# Allegro board A733_PRO2_AXP318_LPDDR4_4X_200BALL_32X1_V1_1.brd (continued)
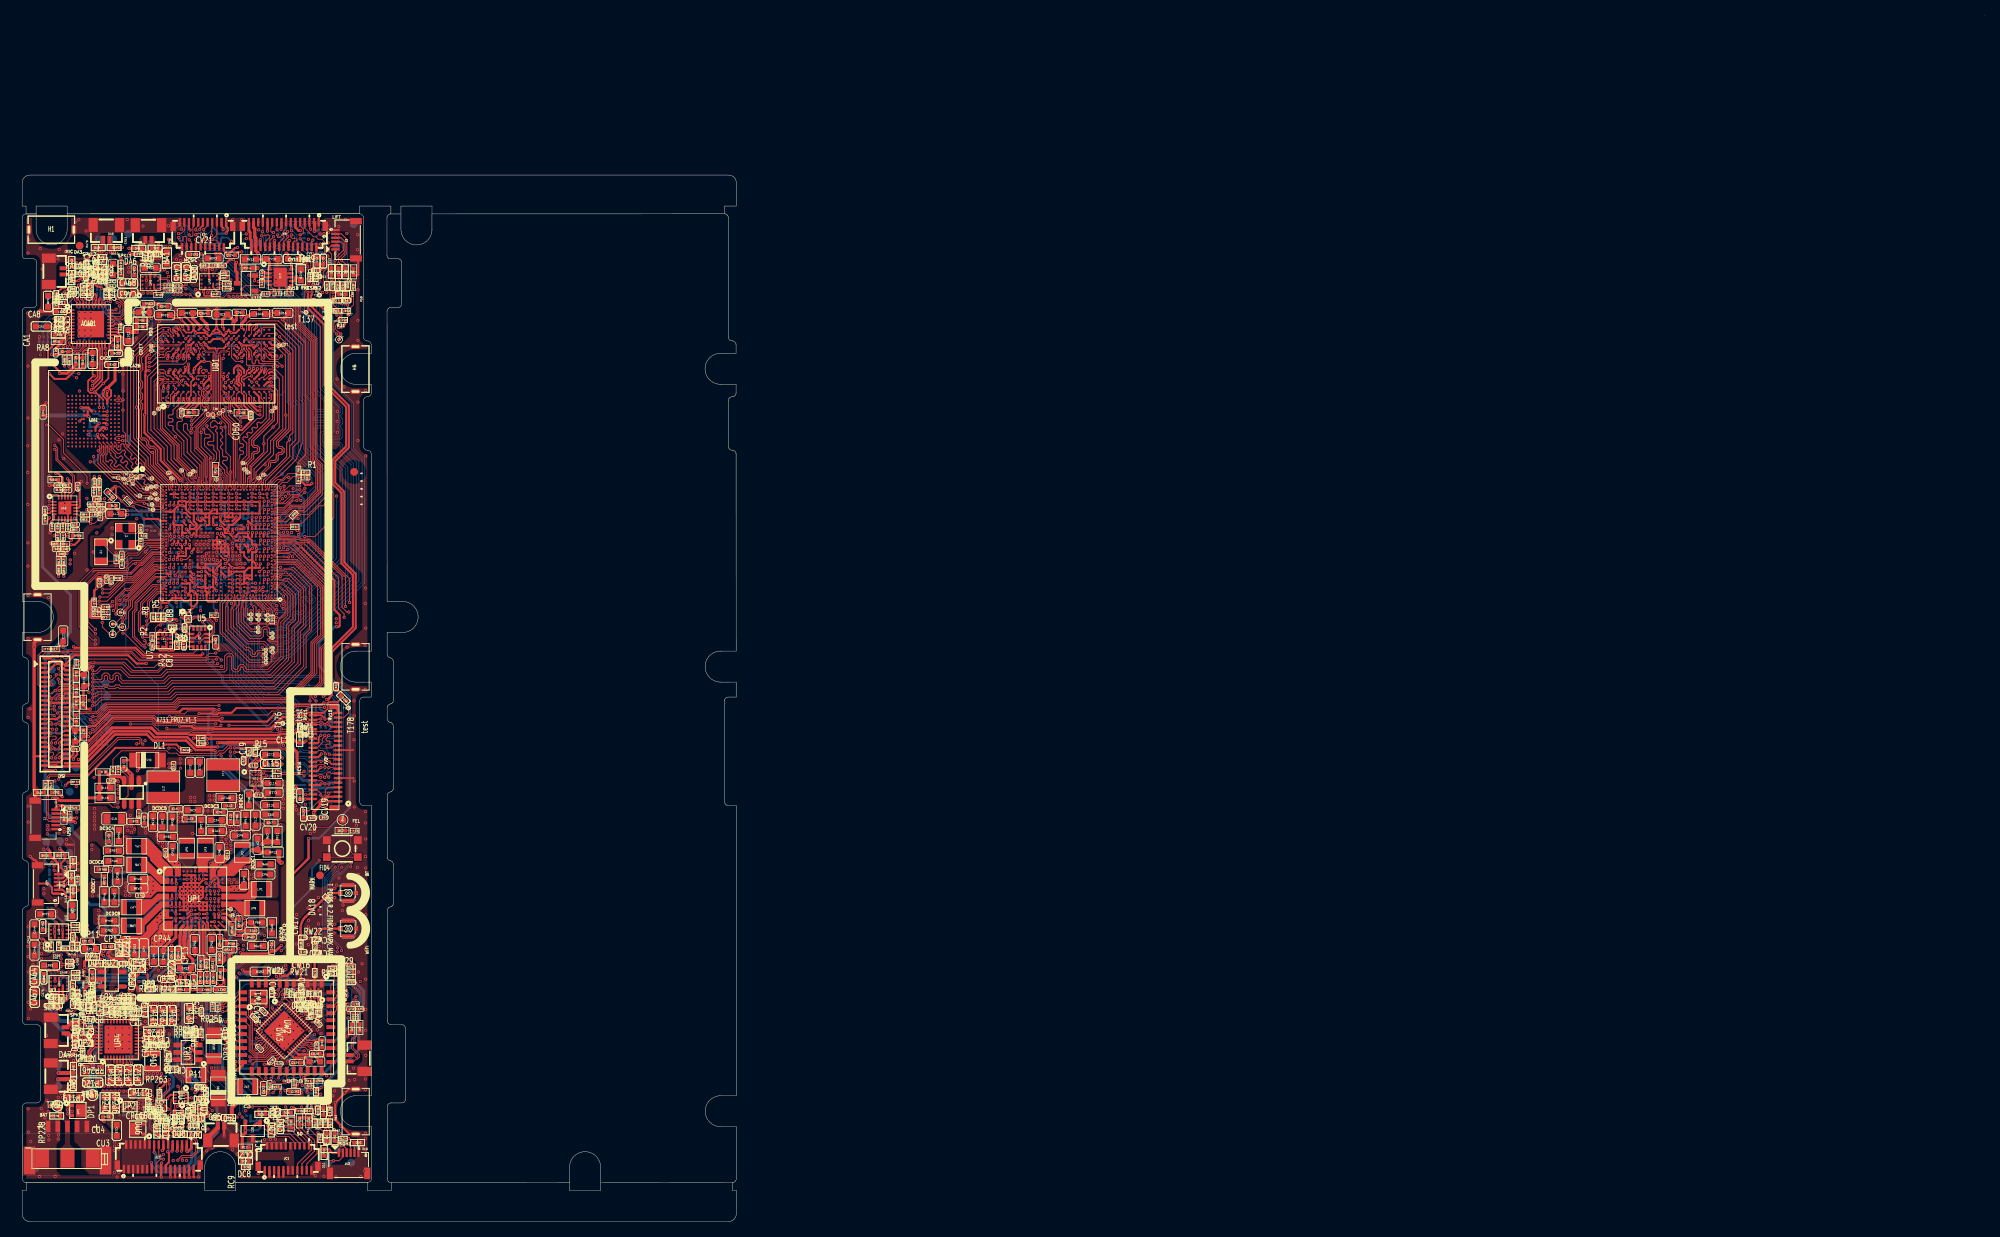
[diagram p0: board, top side]
## Routing (per net, layer and track width the routed paths; a pad name or vN(x,y) marks a point on that pad's centre or on a via; arc(x,y) is an arc through that point) (continued)
  TOP w0.381: v1(19.81,31.56) 19.48,31.23 CP24.2 ; v1(35.45,58.53) 35.45,60.53 34.06,61.92 33.47,61.92 33.37,61.82 26.45,61.82 26.4,61.77 v1(25.2,61.77)
  TOP w0.508: v1(19.81,31.56) 19.78,31.56 19.3,32.04 RP22.1
  L3 w0.254: v1(26.31,127.51) 26.35,127.47 27.24,127.47 28.33,126.38 29.4,126.38 29.64,126.13 35.98,126.13 36.58,126.73 v1(36.89,126.73) 37.03,126.6 37.03,124.17 37.41,123.79 37.41,122.82 36.95,122.36 v1(36.95,121.06)
  L3 w0.381: v1(39.35,54.17) 39.35,54.15 39.12,53.92 39.12,53.74 39.14,53.72 v1(39.14,53.7)
  L3 w0.508: v1(39.14,53.7) 39.09,53.7 38.85,53.46 38.85,49.9 34.71,45.76 34.71,42.68 33.25,41.22 33.25,37.44 32.76,36.96 32.76,35.21 27.56,30.01 24.83,30.01 24,30.85 20.65,30.85 20.61,30.89 20.48,30.89 v1(19.81,31.56)
  L4 w0.381: v1(28.1,84.38) 28.05,84.32 v1(27.12,84.32) 27.09,84.32 26.65,83.89 26.65,82.7 26.03,82.08 26.03,75.16 24.23,73.35 24.23,72.68 24.11,72.57 24.11,63.99 25.2,62.9 v1(25.2,61.77)
  BOTTOM w0.254: C18.1 27.11,84.34 v1(27.12,84.32) 27.12,84.33 C14.1 28.05,84.33 v1(28.1,84.38) 28.14,84.34 C19.1 ; v1(26.31,127.51) 26.25,127.45 CV25.1 RV22.1 25.09,127.5 25.09,127.79 24.61,128.26 RV23.1
  BOTTOM w0.381: RV25.1 40.05,55.94 38.35,55.94 38.3,55.98 RV24.1 37.71,55.98 36.77,56.92 36.21,56.92 35.45,57.68 v1(35.45,58.53)
  vias: v1(38.41,127.41) v1(38.92,127.47)
BLDO2: length 140.4
  TOP w0.254: v1(5.28,74.1) 5.29,74.12 C11.1 4.55,74.1 RL27.2 ; v1(8.47,61.99) 8.53,62.05 8.71,62.05 11.68,65.02 16.91,65.02 17.42,64.51 19.72,64.51 19.95,64.75 22.17,64.75 22.26,64.65 25.45,64.65 25.6,64.5 31.58,64.5 32.53,65.45 v1(32.54,65.45) ; U1.1N7 29.08,86.89 v1(29.09,86.89) ; U1.1N6 29.12,86.93 v1(29.09,86.89) ; v1(29.69,86.85) 29.63,86.85 U1.1L6 29.12,86.86 v1(29.09,86.89) ; JL1.18 4.02,66.93 4.01,66.92 v1(3.73,66.92) 3.71,66.93 3.51,66.93 3.21,67.23 JL1.17
  TOP w0.305: v1(8.58,69.3) 8.34,69.06 CL18.2 7.91,68.98 DL2.2
  TOP w0.381: RP23.1 14.22,32.17 CP25.2 14.67,31.63 v1(15,31.96)
  L3 w0.254: v1(5.02,69.59) 5.02,69.39 5.28,69.14 5.28,67.27 4.94,66.93 3.98,66.93 3.97,66.92 v1(3.73,66.92) ; v1(29.69,86.85) 29.69,86.91 30.03,87.25 32.14,87.25 34.74,84.64 34.74,76.93 33.87,76.05 33.87,71.67 32.49,70.29 32.49,65.52 32.54,65.47 v1(32.54,65.45) ; v1(8.47,61.99) 8.12,62.33 8.12,68.85 v1(8.58,69.3)
  L4 w0.254: v1(5.02,69.59) 5.02,69.68 5.35,70.01
  L4 w0.305: 5.35,70.01 5.35,70.01 ; 5.35,70.01 5.35,71.51 4.43,72.44 4.41,72.44 4.14,72.7 4.14,73.08 4.99,73.94 5.11,73.94 v1(5.28,74.1) ; 5.35,70.01 5.35,69.93 v1(5.02,69.59)
  L4 w0.381: v1(8.47,61.99) 7.99,61.99 6.09,60.08 6.09,54.38 4.26,52.55 4.26,47.89 3.09,46.72 3.09,44.02 4.55,42.56 4.55,41.93 5.74,40.75 5.74,37.24 5.53,37.04 5.53,32.61 v1(5.97,32.18)
  BOTTOM w0.203: RL35.1 5.85,66.99 5.63,66.78 4.47,66.78 4.34,66.9 3.98,66.9 3.93,66.85 3.79,66.85 v1(3.73,66.92)
  BOTTOM w0.254: v1(5.02,69.59) 5.39,69.23 RL37.2 ; 6.26,69.08 6.52,68.82 8.1,68.82 v1(8.58,69.3) ; RL35.1 RL34.1 ; v1(5.28,74.1) 5.48,73.9 5.58,73.9 5.83,73.64 RL24.2 6.2,73.15 RL26.2 6.45,72.82 6.87,72.4 RL25.2 ; CL17.1 3.42,66.61 v1(3.73,66.92) 3.65,66.99 3.64,66.99 3.39,67.24 3.39,67.6 3.51,67.73 RL36.2 ; v1(29.09,86.89) 29.38,87.18 C13.1 ; C132.1 30.63,87.29 C12.1 29.99,87.21 29.79,87.01 29.79,86.95 v1(29.69,86.85)
  BOTTOM w0.305: RL37.2 6.26,69.08
  BOTTOM w0.381: v1(15,31.96) 14.72,31.96 14.22,31.46 9.34,31.46 8.75,30.86 7.29,30.86 v1(5.97,32.18)
BLDO4: length 150.5
  TOP w0.254: RA18.1 7.57,120.53 v1(7.27,120.83) ; v1(3.49,109.4) 4.17,108.71 5.67,108.71 5.99,109.03 6.01,109.03 6.93,109.94 v1(7.83,109.94) ; v1(3.47,96.22) 3.8,95.89 RA60.1 ; v1(22.82,39.11) 22.76,39.17 UP1.N8
  TOP w0.305: RA15.1 11.85,112.91 v1(11.71,113.06)
  TOP w0.381: v1(26.07,34.33) 26.07,33.82 26.07,33.66 25.88,33.47 CP28.2 ; v1(7.83,109.94) 7.81,109.96 RA9.1
  L3 w0.381: v1(2.5,35.91) 2.31,35.91 1.95,36.27 1.95,39.58 2.27,39.9 2.27,73.2 5.51,76.45 5.51,80.8 4.2,82.11 4.2,85.31 5.29,86.4 5.6,86.7 6.56,86.7 7.31,87.45 7.31,89.38 6.22,90.47 6.22,90.55 6.19,90.58 6.19,93.19 3.47,95.92 v1(3.47,96.22) 3.68,96.44 3.68,97.73 6.29,100.34 6.29,109.26 6.98,109.94 v1(7.83,109.94)
  L4 w0.254: v1(3.49,109.4) 4.48,110.39 4.48,114.64 4.53,114.69 4.53,116.67 4.13,117.07 4.13,120.29 5.1,121.26 6.66,121.26 7.09,120.83 v1(7.27,120.83)
  BOTTOM w0.305: v1(2.5,35.91) 2.37,35.79 2.33,35.79 2.04,35.49 2.04,30.82 4.04,28.83 6.3,28.83 7.86,30.39 8.92,30.39 9.55,31.01 14.42,31.01 14.89,31.48 16.21,31.48 16.49,31.76 16.49,32 17.72,33.23 21.94,33.23 23.05,34.34 24.7,34.34
  BOTTOM w0.381: v1(22.82,39.11) 23.3,38.63 23.3,34.34 ; v1(11.71,113.06) 11.71,111.91 10.46,110.67 8.55,110.67 v1(7.83,109.94) ; v1(26.07,34.33) 26,34.33 25.99,34.34 24.7,34.34
BLDO5: length 154.8
  TOP w0.127: RW15.2 25.63,27.92 25.68,27.97 26.01,27.97 27.14,29.1 27.14,31.08 v1(27.6,31.55)
  TOP w0.178: UW3.16 31.26,22.78 31.26,22.62 v1(31.2,22.55) 30.82,22.17 CW27.2
  TOP w0.254: CP29.2 22.99,32.17 22.87,32.3 ; 22.87,32.3 22.88,32.3 23.03,32.45 RP29.1 ; 22.87,32.3 22.77,32.4 22.52,32.4 v1(22.5,32.42) ; RW29.2 39.72,32.83 39.92,33.03 41.53,33.03 41.87,33.36 v1(42.57,33.36) 42.69,33.24 RW26.2 RW27.2 RW28.2 ; U1.1R5 29.62,88.8 v1(29.69,88.87) ; v1(35.92,87.07) 40.26,82.74 40.26,78.93 40.94,78.24 40.94,76.86 40.81,76.73 v1(40.52,76.73)
  TOP w0.305: CW22.2 34.47,16.88 v1(33.93,16.88) ; v1(36.93,49.43) 36.93,46.85 34.87,44.79 34.87,32.41 34.14,31.69 v1(33.31,31.69) 33.31,31.84 33.18,31.97 RW24.2 ; v1(36.75,16.65) 36.75,17.28 36.77,17.3 RW25.2
  TOP w0.381: UW2.22 28.42,20.18 v1(27.79,19.56)
  L3 w0.305: v1(42.57,33.36) 42.55,33.35 42.55,30.53 v1(42.95,30.14) ; v1(22.5,32.42) 22.74,32.42 23.4,31.76 27.39,31.76 v1(27.6,31.55)
  L4 w0.254: v1(29.69,88.87) 29.69,88.89 30.27,89.47 32.56,89.47 33.59,88.44 34.46,88.44 35.83,87.07 v1(35.92,87.07)
  BOTTOM w0.254: 34.09,86.22 34.41,86.22 34.92,86.73 35.33,86.73 RW14.2 35.48,86.63 v1(35.92,87.07) 35.5,87.49 35.5,87.55 35.24,87.82 RW13.2 RW11.2 34.22,88.05 RW10.2 33.75,87.44 RW12.2 ; v1(29.69,88.87) 29.63,88.81 C15.1
  BOTTOM w0.305: v1(40.52,76.73) 40.29,76.73 38.31,74.75 38.31,71.64 42.24,67.71 42.24,53.38 38.29,49.43 v1(36.93,49.43) ; v1(36.75,16.65) 36.34,17.06 34.11,17.06 v1(33.93,16.88) 33.47,17.33 30.02,17.33 v1(27.79,19.56) 27.96,19.72 29.89,19.72 30.24,20.07 30.24,21.59 v1(31.2,22.55)
  BOTTOM w0.381: 33.34,31.69 34.45,30.58 42.5,30.58 v1(42.95,30.14) 43.54,29.54 43.54,28.33 42.86,27.65 42.86,23.09 38.03,18.26 38.03,17.09 37.47,16.53 36.86,16.53 v1(36.75,16.65) ; 33.34,31.69 33.27,31.61 33.27,31.42 32.99,31.14 32.94,31.14 32.9,31.1 28.05,31.1 v1(27.6,31.55) ; 33.34,31.69 v1(33.31,31.69)
BLDO-INPUT: length 18.8
  TOP w0.254: 21.46,36.18 21.55,36.27 21.55,37.4 21.82,37.67 21.82,38.16 UP1.R7
  TOP w0.381: RP220.2 13.37,34.34 13.89,33.82 v1(13.89,33.12) ; v1(21.52,31.94) 21.52,32.02 21.65,32.14 21.65,32.57 CP22.2 22.02,32.94 22.02,33.8 21.46,34.36 21.46,36.18
  TOP w0.508: RP220.2 12.49,34.68 RP28.2
  L3 w0.381: v1(13.89,33.12) 13.89,32.37 14.8,31.46 17.39,31.46 18.27,32.33 21.18,32.33 21.51,32.01 21.51,31.95 v1(21.52,31.94)
BOARD-ID-SEL-ADC: length 6.4
  TOP w0.102: v1(17.74,80.34) 16.89,79.48 R8.2
  TOP w0.114: v1(19,82.35) 19,82.37 19.12,82.49 U1.1D26
  L4 w0.102: v1(19,82.35) 17.74,81.09 v1(17.74,80.34)
  BOTTOM w0.102: v1(19,82.35) 18.62,81.97 R10.1
BOARD-ID-SEL-GPIO: length 4.5
  TOP w0.102: U1.AT1 33.51,95.34 34.15,95.34 34.93,96.12 35.5,96.12 R4.2 36.27,96.01 R3.2
BOOST-5V-EN: length 73.8
  TOP w0.102: RP258.2 21.58,24.97 v1(21.33,25.22)
  TOP w0.114: v1(19,84.35) 19,84.37 19.12,84.49 U1.1H26
  L4 w0.102: v1(21.33,25.22) 21.33,25.99 20.7,26.62 20.7,27.43 19.49,28.64 13.13,28.64 12.48,29.29 12.48,29.74 12.52,29.78 12.52,30.09 12.31,30.29 12.31,34.42 12.4,34.52 12.4,37 12.05,37.35 12.05,37.59 11.65,37.99 11.65,44.63 11.77,44.74 11.77,48.73 12.34,49.3 12.34,52.48 13.53,53.67 13.53,56.41 14.49,57.36 14.49,58.07 14.42,58.13 14.42,62.17 14.78,62.52 14.78,78.23 13.05,79.96 13.05,80.27 13.29,80.52 14.31,80.52 18.14,84.35 v1(19,84.35)
BOOT-SEL-ADC: length 6.4
  TOP w0.102: R5.2 18.23,78.92 v1(18.66,79.35) ; v1(20.02,82.37) 20.12,82.48 U1.1D24
  L4 w0.102: v1(20.02,82.37) 19.99,82.37 19.65,82.02 19.42,82.02 18.45,81.05 18.45,79.55 v1(18.66,79.35)
  BOTTOM w0.102: R9.1 18.63,79.32 v1(18.66,79.35)
BT-PCM-CLK: length 93.2
  TOP w0.076: U1.Y2 32.94,88 33.13,87.8
  TOP w0.102: 35.11,87.64 34.95,87.8 33.13,87.8 ; UW3.30 35.95,22.67 36.79,22.67 37.09,22.36 37.26,22.36 v1(37.41,22.21)
  TOP w0.114: v1(41.51,77.94) 41.51,78.39 40.78,79.12 40.78,83.05 36.41,87.41 35.34,87.41 35.11,87.64 ; UW2.26 32.31,18.67 v1(32.1,18.47)
  L3 w0.114: v1(32.1,18.47) 32.1,18.7 32.05,18.76 32.05,20.55 32.31,20.8 32.31,22.86 31.23,23.94 31.23,24.12 34.97,27.86 34.97,40.51 38.95,44.49 38.95,47.16 40.93,49.14 40.93,49.49 40.92,49.5 40.92,67.49 38.62,69.79 38.62,73.61 41.51,76.5 v1(41.51,77.94)
  BOTTOM w0.114: v1(37.41,22.21) 37.41,21.06 35.36,19.01 34.07,19.01 33.19,18.13 32.9,18.13 32.52,18.5 32.14,18.5 v1(32.1,18.47)
BT-PCM-DIN: length 92.5
  TOP w0.102: U1.AB1 32.91,88.8 33.37,88.34 35.47,88.34 35.49,88.31 35.7,88.31 35.86,88.15 ; v1(36.93,22.02) 36.48,22.47 35.66,22.47 UW3.29
  TOP w0.114: v1(33.04,18.52) 33.04,18.66 33.21,18.82 UW2.27 ; 35.86,88.15 35.98,88.04 36.88,88.04 36.95,87.96 37.18,87.96 42.22,82.93 v1(42.22,79.88)
  L3 w0.114: v1(39.77,34.56) 39.42,34.2 39.42,22.99 35.35,18.92 33.93,18.92 33.52,18.52 v1(33.04,18.52) ; v1(40.37,45.73) 40.16,45.94 40.16,47.48 41.35,48.67 41.35,67.66 39.07,69.95 39.07,73.46 42.02,76.42 42.02,78.09 41.75,78.36 41.75,78.83 42.21,79.3 42.21,79.87 v1(42.22,79.88)
  BOTTOM w0.114: v1(33.04,18.52) 33.04,18.66 33.84,19.46 34.36,19.46 v1(36.93,22.02) ; v1(40.37,45.73) 38.96,44.32 38.96,44.26 38.95,44.25 38.95,35.38 v1(39.77,34.56)
BT-PCM-DOUT: length 92.1
  TOP w0.102: v1(36.34,22.02) 35.61,22.02 UW3.28 ; U1.AA1 33.05,88.4 33.29,88.16 35.15,88.16 35.34,87.97 35.75,87.97 ; v1(31.41,18.45) 31.41,18.46 UW2.25
  TOP w0.114: 35.75,87.97 35.87,87.85 36.79,87.85 36.86,87.77 37,87.77 37.03,87.74 37.09,87.74 41.69,83.15 v1(41.69,79.36)
  L3 w0.114: v1(31.41,18.45) 31.63,18.67 31.63,20.72 31.89,20.98 31.89,22.68 30.76,23.81 30.76,24.31 34.5,28.05 34.5,40.73 36.13,42.35 36.13,45.29 40.5,49.66 40.5,67.3 38.2,69.6 38.2,73.81 40.98,76.59 40.98,78.65 v1(41.69,79.36)
  BOTTOM w0.114: v1(31.41,18.45) 31.41,19.1 32.05,19.74 34.06,19.74 v1(36.34,22.02)
BT-PCM-SYNC: length 94.5
  TOP w0.076: U1.AA2 32.41,88.16 33.03,88.16
  TOP w0.102: 33.03,88.16 33.21,87.98 35.07,87.98 35.41,87.64 35.82,87.64
  TOP w0.114: UW2.28 34.11,18.34 33.92,18.15 v1(33.73,18.15) ; UW3.32 36.17,23.43 36.5,23.1 37.2,23.1 v1(37.38,22.92) ; v1(42.11,78.62) 41.87,78.62 41.25,79.25 41.25,83.27 36.97,87.55 36.94,87.55 36.92,87.58 36.78,87.58 36.71,87.64 35.82,87.64
  L3 w0.114: v1(39.8,34) 39.69,33.89 39.69,22.88 35.42,18.61 34.18,18.61 v1(33.73,18.15) ; v1(42.11,78.62) 42.25,78.48 42.25,76.3 39.28,73.33 39.28,70.05 41.57,67.76 41.57,48.24 40.52,47.19 v1(40.52,46.39)
  BOTTOM w0.114: v1(39.8,34) 38.73,35.06 38.73,44.41 38.76,44.44 38.76,44.68 40.47,46.39 v1(40.52,46.39) ; v1(37.38,22.92) 37.93,22.37 37.93,20.81 35.72,18.59 34.36,18.59 33.92,18.15 v1(33.73,18.15)
BT-RESETN: length 119.8
  TOP w0.076: U1.P36 17,85.6 15.54,84.13 15.46,84.13
  TOP w0.102: v1(37.27,17.03) 37.27,17.08 37.27,17.08 RW25.1 RW4.2 37.28,18.15 RW62.2
  TOP w0.114: RW60.1 RW61.1 34,29.7 v1(33.55,29.25) ; v1(10.36,81.09) 11.26,81.09 13.08,82.91 14.23,82.91 15.46,84.13
  L3 w0.114: v1(25.6,28.85) 25.32,28.85 25.29,28.89 24.97,28.89 24.94,28.85 24.03,28.85 23.66,29.22 18.67,29.22 18.3,28.85 16.09,28.85 14.73,27.5 11.66,27.5 11.44,27.71 11.44,29.2 11.57,29.32 11.57,32.65 10.92,33.3 10.19,33.3 9,34.49 9,41.11 9.63,41.74 9.63,46.79 8.5,47.92 8.5,60.19 9.7,61.39 9.7,73.62 9.07,74.24 9.07,80.14 10.02,81.09 v1(10.36,81.09)
  BOTTOM w0.114: v1(37.27,17.03) 37.27,18.25 42.5,23.48 42.5,29.88 42.17,30.21 40.53,30.21 39.8,29.48 33.78,29.48 v1(33.55,29.25) 33.55,29.99 32.89,30.64 28.85,30.64 27.06,28.85 v1(25.6,28.85)
BT-UART-CTS: length 87
  TOP w0.102: U1.V1 32.81,87.44 34.67,87.44 35.35,86.76
  TOP w0.114: 35.35,86.76 39.65,82.46 39.65,74.61 38.82,73.79 38.82,69.42 37.7,68.3 37.7,67.83 v1(37.8,67.73) ; UW2.44 39.8,30.48 40.22,30.91 RW32.2 RW29.1 40.52,32.65 40.69,32.49 40.69,29.74 v1(40.74,29.69) ; UW3.12 30.7,24.18 30.93,24.42 30.93,24.7 30.71,24.92 30.64,24.92 v1(30.17,25.39)
  L4 w0.114: v1(40.74,29.69) 40.52,29.69 37.88,32.33 37.88,36.07 38.91,37.1 38.91,51.95 37.65,53.21 37.65,66.33 37.51,66.47 37.51,67.51 37.74,67.73 v1(37.8,67.73)
  BOTTOM w0.114: v1(30.17,25.39) 31.95,25.39 34.97,28.41 36.97,28.41 37.33,28.78 40.91,28.78 41.16,29.02 41.16,29.32 40.79,29.69 v1(40.74,29.69)
BT-UART-RTS: length 87.5
  TOP w0.076: 33.49,87.62 33.05,87.62 32.83,87.84 32.41,87.84 U1.W2
  TOP w0.102: 35.48,86.91 34.76,87.62 33.49,87.62
  TOP w0.114: 35.48,86.91 35.51,86.91 39.74,82.68 39.75,82.68 39.86,82.56 39.86,74.51 39.04,73.69 39.04,68.91 38.27,68.15 v1(38.11,68.15) ; RW28.1 RW31.2 41.83,30.5 v1(41.83,29.81) 41.96,29.67 41.96,28.91 41.74,28.69 41.45,28.69 40.53,27.78 40.53,27.28 40.13,26.87 UW2.41 ; UW3.13 30.62,23.62 30.24,23.62 v1(30.21,23.66)
  L4 w0.114: v1(38.11,68.15) 38.11,67.95 38.17,67.88 38.17,67.41 38.26,67.32 38.26,65.42 38.14,65.3 38.14,53.44 39.35,52.22 39.35,35.52 38.96,35.13 38.96,33.51 41.07,31.41 41.07,30.57 v1(41.83,29.81)
  BOTTOM w0.114: v1(41.83,29.81) 41.83,29.78 42.06,29.55 42.06,29.05 41.33,28.32 39.94,28.32 39.34,27.72 35.03,27.72 30.97,23.66 v1(30.21,23.66)
BT-UART-RX: length 80.5
  TOP w0.102: 35.12,86.16 34.92,86.36 32.62,86.36 U1.T1
  TOP w0.114: UW2.43 40.23,28.67 v1(40.74,29.18) 40.77,29.18 41.16,29.57 41.16,31.89 RW26.1 ; 35.12,86.16 39.12,82.16 39.12,74.71 38.38,73.97 38.38,69.61 37.11,68.34 v1(37.11,67.16) ; UW3.3 32.25,27.36 v1(32.25,27.57)
  L4 w0.114: v1(37.11,67.16) 37.11,67.15 37.26,66.99 37.26,66.41 37.44,66.23 37.44,53.12 37.21,52.9 37.21,52.59 37.22,52.58 37.22,52.53 38.69,51.05 38.69,37.2 37.65,36.16 37.65,32.25 40.43,29.46 40.45,29.46 40.59,29.32 40.6,29.32 v1(40.74,29.18)
  BOTTOM w0.114: v1(32.25,27.57) 32.59,27.23 33.38,27.23 35.39,29.24 40.68,29.24 v1(40.74,29.18)
BT-UART-TX: length 85.3
  TOP w0.076: U1.V2 32.41,86.96 32.69,86.96 32.98,87.26 33.88,87.26
  TOP w0.102: 35.01,86.55 34.48,87.08 34.06,87.08 33.88,87.26
  TOP w0.114: v1(30.07,24.79) 30.43,24.43 UW3.11 ; v1(37.89,67.17) 37.79,67.17 37.36,67.6 37.36,68.28 38.6,69.51 38.6,73.87 39.43,74.7 39.43,82.27 35.14,86.55 35.01,86.55 ; RW27.1 41.42,31.47 41.42,29.68 41.6,29.5 v1(41.6,29.3) 40.08,27.77 UW2.42
  L4 w0.114: v1(37.89,67.17) 37.92,67.14 37.92,53.35 39.13,52.14 39.13,35.61 38.74,35.23 38.74,33.41 40.64,31.52 40.64,30.3 41.6,29.34 v1(41.6,29.3)
  BOTTOM w0.114: v1(30.07,24.79) 31.78,24.79 34.98,27.99 39.12,27.99 39.68,28.55 41.05,28.55 41.6,29.09 v1(41.6,29.3)
BT-WAKE-AP: length 90.8
  TOP w0.114: v1(9.93,80.03) 10.94,80.03 13.33,82.42 14.3,82.42 17.07,85.2 U1.N37 ; v1(32.84,28.51) 33.03,28.32 33.58,28.32 33.94,27.95 UW3.48 ; v1(32.99,29.86) 33.21,30.08 UW2.7 33.21,31.2 v1(32.77,31.63) 32.68,31.73 RW24.1
  L3 w0.114: v1(32.77,31.63) 30.31,31.63 27.91,29.24 24.1,29.24 23.86,29.48 18.56,29.48 18.16,29.07 15.73,29.07 15.29,29.52 15.29,30 15.07,30.21 14.55,30.21 13.52,31.24 13.52,33.45 11.49,35.48 9.77,35.48 9.45,35.8 9.45,40.95 10.11,41.61 10.11,48.28 8.92,49.47 8.92,60 10.14,61.23 10.14,73.79 10.05,73.89 10.05,76.73 9.68,77.1 9.68,79.79 v1(9.93,80.03)
  BOTTOM w0.114: v1(32.99,29.86) 32.99,29.58 33.12,29.45 33.12,28.94 32.84,28.65 v1(32.84,28.51)
CC1: length 33
  TOP w0.203: v1(11.9,27.91) 12.17,27.64 RP266.1 ; RP259.2 CP138.2 17.11,13.13 17.06,13.08 v1(17.06,13.07)
  TOP w0.254: JU1.19 18.51,7.24 18.92,7.65 18.92,8.84 v1(18.75,9) ; DU11.2 18.83,11.26 v1(19.09,10.99)
  BOTTOM w0.203: v1(11.9,27.91) 11.9,27.24 10.37,25.72 10.37,22.58 9.52,21.73 9.52,16.42 9.68,16.25 14.23,16.25 14.52,16.55 15.68,16.55 16.4,15.82 16.4,14.74 17.06,14.08 v1(17.06,13.07) 17.06,12.71 18.78,10.99 v1(19.09,10.99)
  BOTTOM w0.254: v1(18.75,9) 18.88,9.13 18.88,10.78 v1(19.09,10.99)
CC1-AXP515: length 1.3
  TOP w0.203: UP4.25 12.63,26.35 12.17,26.8 RP266.2
CC2: length 31.1
  TOP w0.203: CP139.2 16.19,14.54 RP261.2 16.22,14.22 v1(16.38,14.06) ; v1(11.91,28.42) 11.83,28.42 11.48,28.07 11.48,27.53 RP265.1
  TOP w0.254: JU1.20 18.81,10.5 18.58,10.73 18,10.73 17.84,10.9 v1(17.83,10.9) 17.48,11.24 DU12.2
  BOTTOM w0.203: v1(17.83,10.9) 17.8,10.87 17.62,10.87 16.43,12.07 16.43,13.82 16.38,13.87 v1(16.38,14.06) 16.38,14.14 16.09,14.43 16.09,15.69 15.54,16.23 14.7,16.23 14.42,15.95 9.56,15.95 9.21,16.29 9.21,21.86 10.07,22.71 10.07,25.87 11.2,27 11.2,27.94 11.68,28.42 v1(11.91,28.42)
CC2-AXP515: length 1.4
  TOP w0.203: UP4.26 12.23,26.28 RP265.2
CC-INT: length 93.9
  TOP w0.076: UP5.B2 17.94,14.98 17.74,15.19 17.74,15.72 ; U1.N36 18.34,85.44 17.64,85.44 17.59,85.38 17,85.38 15.55,83.93 15.53,83.93
  TOP w0.102: 15.53,83.93 14.26,82.66 13.14,82.66 11.04,80.57 v1(10.01,80.57) ; v1(17.85,17.92) 17.4,17.46 17.4,16.29 17.47,16.21 RP263.2 17.74,16.17 17.74,15.72
  L3 w0.102: v1(11.95,28.94) 11.78,29.11 11.78,34.85 11.36,35.27 9.69,35.27 9.24,35.72 9.24,41.04 9.84,41.65 9.84,48.24 8.71,49.38 8.71,60.09 9.91,61.29 9.91,73.72 9.83,73.8 9.83,76.57 9.47,76.93 9.47,80.08 9.94,80.56 10,80.56 v1(10.01,80.57)
  L4 w0.102: v1(7.59,25.09) 7.15,24.65 7.15,21.72 9.69,19.18 14.41,19.18 15.47,18.12 17.08,18.12 17.28,17.92 v1(17.85,17.92)
  BOTTOM w0.102: v1(7.59,25.09) 8.48,24.21 9.51,24.21 9.8,24.49 9.8,26.37 10.29,26.86 10.29,28.06 10.61,28.38 11.21,28.38 11.77,28.94 v1(11.95,28.94)
CK-SEL0: length 13.2
  TOP w0.102: U1.1K25 19.62,85.52 v1(19.51,85.4) ; R21.2 11.01,78.62 R22.2 11,78.66 C84.1 11.48,79.27 v1(11.66,79.45)
  L4 w0.102: v1(19.51,85.4) 19.14,85.04 18.57,85.04 14.26,80.72 12.63,80.72 12.19,80.28 12.19,79.74 11.89,79.45 v1(11.66,79.45)
CK-SEL1: length 14
  TOP w0.102: U1.1K26 19.12,85.53 v1(19,85.4) ; v1(11.65,79.99) 11.61,79.96 11.61,79.94 11.33,79.67 9.31,79.67 R23.2 9.29,78.97 C85.1 9.31,78.95 R24.1
  L4 w0.102: v1(11.65,79.99) 11.79,79.99 11.99,80.19 11.99,80.37 12.54,80.92 13.43,80.92 13.43,80.92 14.16,80.92 18.64,85.4 v1(19,85.4)
CLDO1: length 231.4
  TOP w0.178: UD1.G4 21.77,108.32 21.77,106.57 UD1.F1 ; v1(27.84,109.88) 28.06,109.88 28.27,109.67 28.27,109.26 27.95,108.95 UD1.T4 27.95,108.31 28.27,107.99 28.27,106.93 28.6,106.59 UD1.U1
  TOP w0.254: v1(5.6,56.29) 6.01,56.7 RP7.1 ; UD1.G4 22.1,108.8 v1(21.76,109.14) ; v1(33.32,16.65) 33.32,17.17 RW37.2 ; v1(20.97,87.37) 21.12,87.53 U1.1P22 ; v1(22.38,112.3) 22.38,112.38 UD1.G9 ; UD1.F1 21.56,106.14 21.56,105.45 20.97,104.86 20.81,104.86 CD51.1 ; UD1.U1 28.6,105.28 29.46,104.42 CD50.1 ; UD1.F12 21.45,115.42 v1(20.56,116.32) 20.33,116.55 19.48,116.55 CD46.1 ; RP263.1 17.7,17.02 18.34,17.65 18.34,18.03 18.42,18.12 v1(18.42,18.29) ; UD1.T9 v1(27.6,113) ; UD1.U12 v1(28.29,115.36)
  TOP w0.305: CD46.1 19.69,116.94 v1(19.81,117.05)
  TOP w0.381: RP36.1 CP32.2 27.2,34.85 26.7,34.35 26.7,29.23 v1(25.81,28.35) ; v1(28.29,115.36) 28.29,115.86 28.8,116.37 28.8,116.52 29.18,116.9 29.33,116.9 29.52,117.09 CD45.1
  L3 w0.305: v1(19.81,117.05) 18.04,117.05 17.99,117.01 17.95,117.01 17.94,116.99 17.9,116.99 17.89,116.98 17.88,116.98 16.82,115.93 16.82,114.62 13.84,111.63 13.84,111.62 13.69,111.47 13.69,100.8 12.86,99.97 12.86,94.84 11.96,93.94 11.96,93.03 11.46,92.53 10.59,92.53 9.88,91.82 9.88,89.1 v1(9.62,88.85) 8.63,87.86 8.63,86.34 7.26,84.96 7.26,73.23 6.56,72.53 6.56,61.8 5.74,60.97 5.74,56.43 v1(5.6,56.29) 5.6,55.97 6.16,55.41 6.16,53.59 6.04,53.48 6.04,51.62 7.04,50.62 7.04,47.24 7.65,46.64 7.65,41.79 7.58,41.72 7.58,39.47 7.07,38.96 7.07,36.94 7.54,36.47 7.54,29.28 8.12,28.7 8.12,27.91 7.72,27.51 7.72,26.66 8.15,26.23 14.46,26.23 14.75,25.93 14.75,24.49 16.3,22.94 18.48,22.94 20.23,24.69 22.9,24.69 23.39,25.17 v1(26.04,25.17) ; v1(33.32,16.65) 32.41,15.73 29.23,15.73 27.95,14.45 27.25,14.45 24.75,16.95 24.75,17.98 23.58,19.15 19.11,19.15 18.42,18.47 v1(18.42,18.29)
  L4 w0.178: 16.07,89.16 16.07,88.52 16.55,88.04 20.3,88.04 v1(20.97,87.37)
  L4 w0.305: 21.14,116.32 v1(20.56,116.32) ; 21.14,116.32 21.14,115.24 22.38,114 22.38,113.61 22.03,113.26 22.03,112.89 22.38,112.54 v1(22.38,112.3) 22.38,111.88 22.12,111.62 22.12,110.6 21.76,110.24 v1(21.76,109.14) ; 21.14,116.32 25.99,116.32 27.07,115.24 28.17,115.24 v1(28.29,115.36) 28.29,115.01 28.29,113.81 27.6,113.12 v1(27.6,113) 27.25,112.65 27.25,110.35 27.72,109.88 v1(27.84,109.88)
  L4 w0.381: v1(16.1,89.2) 16.07,89.16 15.42,89.16 14.34,90.25 11.46,90.25 10.07,88.85 v1(9.62,88.85)
  BOTTOM w0.254: v1(27.84,109.88) 27.85,109.88 CD47.1 ; CD49.1 28.28,115.38 v1(28.29,115.36) ; CD48.1 21.76,109.32 v1(21.76,109.14) ; C21.1 16.08,89.22 v1(16.1,89.2)
  BOTTOM w0.305: CD52.1 27.59,112.99 v1(27.6,113) ; v1(22.38,112.3) 22.15,112.53 CD53.1
  BOTTOM w0.381: v1(33.32,16.65) 33.32,16.33 32.76,15.77 29.58,15.77 25.81,19.54 25.81,21.3 25.41,21.7 25.41,24.54 v1(26.04,25.17) 25.12,26.1 25.12,27.78 25.68,28.35 v1(25.81,28.35)
CLDO2: length 63.6
  TOP w0.254: U1.1F13 25.62,83.82 26.11,83.33 26.11,83.17 v1(26.13,83.15) ; RP32.1 v1(23.79,32.42) 23.83,32.38 CP33.2
  L3 w0.305: v1(17.97,32.76) 18.02,32.82 21.71,32.82 21.8,32.9 23.31,32.9 v1(23.79,32.42)
  L4 w0.305: v1(17.97,32.76) 18.32,33.12 18.32,36.08 19.26,37.02 19.26,39.95 18.82,40.4 18.82,40.94 18.84,40.96 18.84,43.85 20.13,45.14 20.43,45.14 22.45,47.17 22.45,53.49 23.2,54.24 23.2,59.58 24.34,60.72 24.34,63.14 23.67,63.81 23.67,72.95 23.78,73.06 23.78,73.6 25.59,75.4 25.59,82.6 v1(26.13,83.15)
  BOTTOM w0.254: C116.1 26.22,83.23 v1(26.13,83.15)
CODEC0-AVDD: length 18.4
  TOP w0.203: UA6.18 5.51,94.32 CA101.1 CA82.1 ; UA6.10 6.31,90.18 CA102.1 6.57,89.27 CA81.1 6.57,88.55 RA59.2 ; RA64.2 3.09,90.28 3.51,90.7 v1(3.51,90.8)
  TOP w0.254: CA82.1 5.55,95.1 5.21,95.44 5.21,95.96 4.66,96.52 v1(4.35,96.52) ; v1(6.33,87.9) 6.33,88.04 6.52,88.23 RA59.2
  L3 w0.254: v1(3.51,90.8) 4.61,90.8 6.34,89.07 6.34,87.96 6.33,87.96 v1(6.33,87.9)
  L4 w0.254: v1(3.51,90.8) 3.51,91.23 4.15,91.87 4.15,96.32 v1(4.35,96.52)
CODEC-IRQ: length 59.5
  TOP w0.102: UA1.24 11.98,115.18 12,115.2 12.07,115.2 v1(12.09,115.21) 12.24,115.06 12.3,115.06 12.39,114.98 RA29.2
  L3 w0.102: v1(20.59,119.61) 21.39,118.81 32.8,118.81 37.42,114.18 37.42,97.92 36,96.49 36,96.46 35.95,96.4 35.95,96.37 34.6,95.02 34.6,94.27 34.69,94.18 34.69,93.46 34.21,92.98 v1(34.21,88.92)
  BOTTOM w0.102: RA1.1 33.93,89.21 v1(34.21,88.92) ; v1(20.59,119.61) 20.59,119.55 20.03,118.99 19.35,118.99 18.54,118.17 14.26,118.17 13.75,117.66 13.75,115.53 13.57,115.35 12.25,115.35 12.11,115.21 v1(12.09,115.21)
CODEC-RST: length 57.9
  L3 w0.102: v1(21.13,119.62) 21.74,119.01 32.88,119.01 37.62,114.27 37.62,97.83 36.13,96.33 36.13,96.29 34.93,95.1 v1(34.93,94.56)
  BOTTOM w0.102: v1(21.13,119.62) 20.75,120 19.46,120 18.26,118.79 13.81,118.79 13.81,118.8 13.77,118.8 9.95,122.62 8.49,122.62 7.73,121.86 7.73,120.73 RA20.2 ; RA2.1 34.91,94.54 v1(34.93,94.56)
CPUS-RX: length 42.1
  TOP w0.076: U1.K36 18.34,84.24 17.61,84.24 17.51,84.15 17.31,84.15
  TOP w0.102: v1(12.61,79.6) 13.04,80.04 13.04,80.27 13.45,80.67 13.65,80.67 17.13,84.15 17.31,84.15 ; RU5.2 7.56,53.9 11.21,53.9 11.64,53.47 v1(12.35,53.47)
  L4 w0.102: v1(12.35,53.47) 12.53,53.47 12.83,53.77 12.83,57.24 14,58.41 14,62.33 14.37,62.7 14.37,77.84 v1(12.61,79.6)
  BOTTOM w0.102: v1(12.61,79.6) 13.02,79.6 TP44.1
CPUS-TCK: length 23.4
  TOP w0.102: U2.9 22.6,73.82 22.09,73.32 15.78,73.32 13.19,75.91 v1(12.99,75.91) ; U1.J37 17.22,83.6 13.75,80.13 13.75,79.45 13.19,78.89 13.19,78.15 v1(12.91,77.88) 12.73,77.88 11.93,77.08 TP46.1
  L4 w0.102: v1(12.91,77.88) 12.54,77.51 12.54,77.15 12.99,76.71 v1(12.99,75.91)
CPUS-TDI: length 76.2
  TOP w0.102: v1(21.64,119.62) 22.03,119.23 22.36,119.23 22.41,119.18 25.94,119.18 26.54,119.77 29.05,119.77 29.57,119.25 RV16.2 ; v1(10.32,77.29) 10.36,77.25 10.36,76.69 11.28,75.77 TP48.1 12.1,75.77 12.59,76.26 13.37,76.26 13.7,76.59 13.7,78.67 14.22,79.19 14.22,80.07 17.2,83.05 18.28,83.05 18.53,82.8 U1.G36
  L4 w0.102: v1(10.32,77.29) 9.27,78.35 9.27,84.71 9.66,85.1 9.66,88.23 9.27,88.62 9.27,89.08 9.96,89.78 9.96,94.92 7.81,97.08 7.81,104.65 9.75,106.59 9.75,109.1 11.48,110.83 12.26,110.83 12.57,111.14 v1(12.57,111.23)
  BOTTOM w0.102: v1(21.64,119.62) 21.58,119.57 21.58,119.15 21.19,118.76 19.41,118.76 18.63,117.97 15.81,117.97 13.98,116.14 13.98,113.28 13.5,112.8 13.5,112.07 12.66,111.23 v1(12.57,111.23)
CPUS-TDO: length 48
  TOP w0.102: TP47.1 v1(12.91,77.35) 13.39,77.84 13.39,78.83 13.96,79.4 13.96,80.09 17.11,83.23 17.98,83.23 17.98,83.23 18.36,83.23 18.37,83.23 18.42,83.23 18.45,83.2 U1.H36 ; JV2.32 36.72,63.52 T174.1 36.24,63.99 RV11.1 35.78,64 35.76,64 34.95,63.19 33.1,63.19 32.96,63.05 24.48,63.05 24.43,63.11 21.94,63.11 21.76,63.28 17.66,63.28 16.76,64.18 v1(13.96,64.18)
  L4 w0.102: v1(12.91,77.35) 13.98,76.29 13.98,64.2 v1(13.96,64.18)
CPUS-TMS: length 19.1
  TOP w0.102: U2.4 22.1,76.67 21.66,77.1 21.39,77.1 21.38,77.11 21.18,77.11 21.15,77.14 20.72,77.14 20.68,77.1 19.84,77.1 19.62,77.32 16.43,77.32 v1(16.07,76.96) ; U1.K37 17.6,84 17.57,83.97 17.21,83.97 v1(13.38,80.14) 13.38,79.49 12.67,78.78 TP45.1
  L4 w0.102: v1(16.07,76.96) 16.05,76.96 15.11,77.91 15.11,78.41 v1(13.38,80.14)
